# EAGLE board Mk4 Final a Panel score 2x5 (EAGLE 9.0.1), part 24 of 29 (continued)
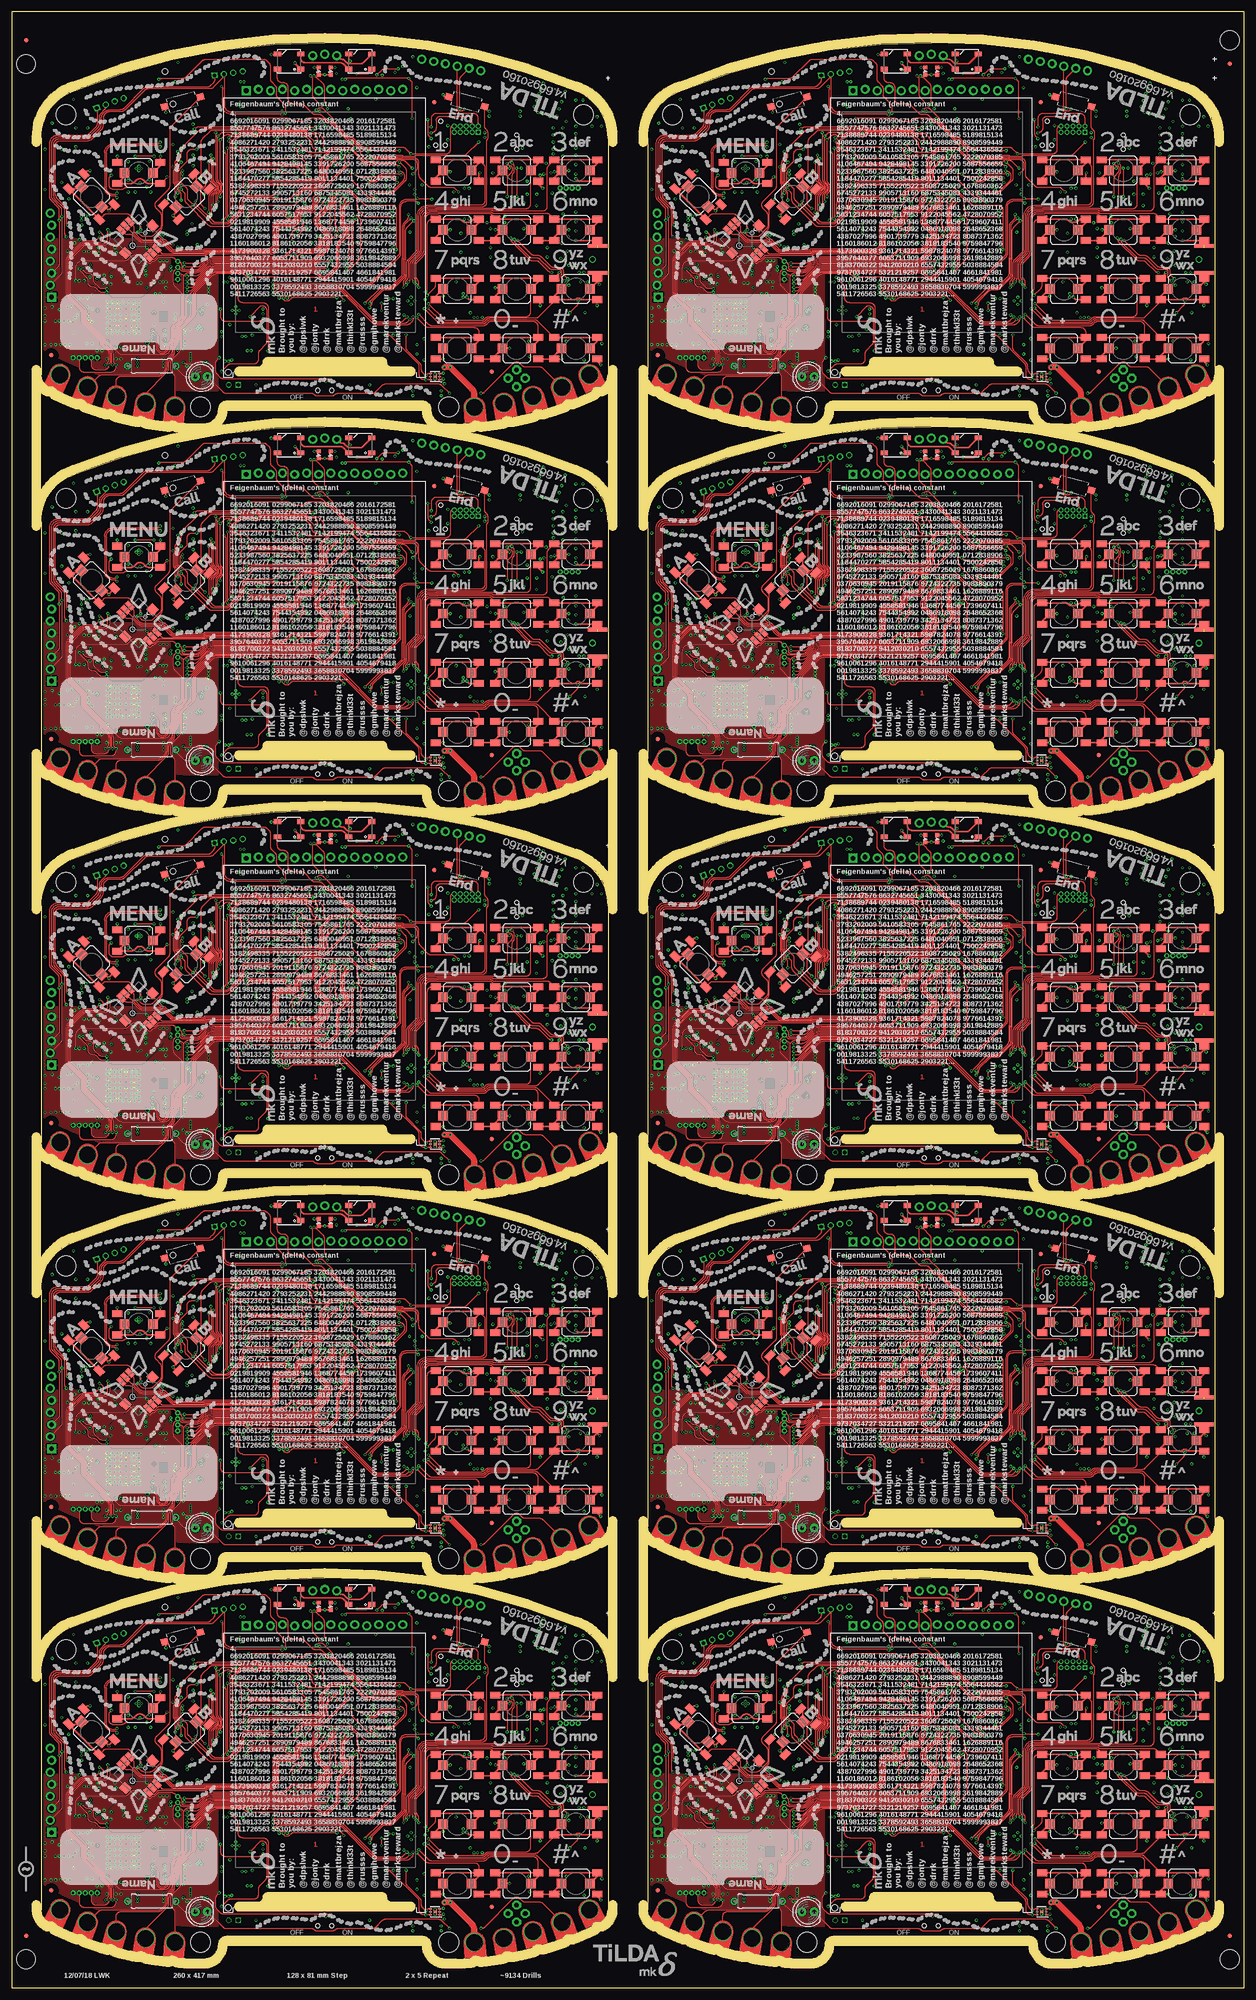
[diagram p0: board, top side]
## Tracks (layer width: path | path; a pad name or v marks a point on that pad's centre or on a via) (continued)
SSI0_LCD_MISO5  (via drill 0.3)
  Top 0.15: v187.8,207.8 187.89,207.8 arc45 188.59,208.09 189.21,208.71 arc-45 189.91,209 v190.45,209
  Bottom 0.15: IC92.38 185.55,216.8 arc90 184.3,215.55 184.3,211.55 arc90 186.05,209.8 186.79,209.8 arc-45 187.49,209.51 187.51,209.49 arc-45 187.8,208.79 v187.8,207.8 | J51.33 190.25,208.52 arc-45 v190.45,209
SSI0_LCD_MISO6  (via drill 0.3)
  Top 0.15: v59.8,288.8 59.89,288.8 arc45 60.59,289.09 61.21,289.71 arc-45 61.91,290 v62.45,290
  Bottom 0.15: IC110.38 57.55,297.8 arc90 56.3,296.55 56.3,292.55 arc90 58.05,290.8 58.79,290.8 arc-45 59.49,290.51 59.51,290.49 arc-45 59.8,289.79 v59.8,288.8 | J61.33 62.25,289.52 arc-45 v62.45,290
SSI0_LCD_MISO7  (via drill 0.3)
  Top 0.15: v187.8,288.8 187.89,288.8 arc45 188.59,289.09 189.21,289.71 arc-45 189.91,290 v190.45,290
  Bottom 0.15: IC128.38 185.55,297.8 arc90 184.3,296.55 184.3,292.55 arc90 186.05,290.8 186.79,290.8 arc-45 187.49,290.51 187.51,290.49 arc-45 187.8,289.79 v187.8,288.8 | J71.33 190.25,289.52 arc-45 v190.45,290
SSI0_LCD_MISO8  (via drill 0.3)
  Top 0.15: v59.8,369.8 59.89,369.8 arc45 60.59,370.09 61.21,370.71 arc-45 61.91,371 v62.45,371
  Bottom 0.15: IC146.38 57.55,378.8 arc90 56.3,377.55 56.3,373.55 arc90 58.05,371.8 58.79,371.8 arc-45 59.49,371.51 59.51,371.49 arc-45 59.8,370.79 v59.8,369.8 | J81.33 62.25,370.52 arc-45 v62.45,371
SSI0_LCD_MISO9  (via drill 0.3)
  Top 0.15: v187.8,369.8 187.89,369.8 arc45 188.59,370.09 189.21,370.71 arc-45 189.91,371 v190.45,371
  Bottom 0.15: IC164.38 185.55,378.8 arc90 184.3,377.55 184.3,373.55 arc90 186.05,371.8 186.79,371.8 arc-45 187.49,371.51 187.51,371.49 arc-45 187.8,370.79 v187.8,369.8 | J91.33 190.25,370.52 arc-45 v190.45,371
SSI0_LCD_MOSI  (via drill 0.3)
  Top 0.15: v60.35,46.7 arc45 60.95,46.95 61.45,47.45 arc-45 v62.05,47.7
  Bottom 0.15: J2.34 61.75,44.5 61.8,44.55 61.8,47.1 arc-45 v62.05,47.7 | IC1.37 57.6,54.4 arc90 56.6,53.4 56.6,49.6 arc90 58.1,48.1 58.83,48.1 arc-45 59.72,47.73 60.2,47.25 arc-45 60.35,46.89 v60.35,46.7
SSI0_LCD_MOSI1  (via drill 0.3)
  Top 0.15: v188.35,46.7 arc45 188.95,46.95 189.45,47.45 arc-45 v190.05,47.7
  Bottom 0.15: J6.34 189.75,44.5 189.8,44.55 189.8,47.1 arc-45 v190.05,47.7 | IC20.37 185.6,54.4 arc90 184.6,53.4 184.6,49.6 arc90 186.1,48.1 186.83,48.1 arc-45 187.72,47.73 188.2,47.25 arc-45 188.35,46.89 v188.35,46.7
SSI0_LCD_MOSI2  (via drill 0.3)
  Top 0.15: v60.35,127.7 arc45 60.95,127.95 61.45,128.45 arc-45 v62.05,128.7
  Bottom 0.15: J21.34 61.75,125.5 61.8,125.55 61.8,128.1 arc-45 v62.05,128.7 | IC38.37 57.6,135.4 arc90 56.6,134.4 56.6,130.6 arc90 58.1,129.1 58.83,129.1 arc-45 59.72,128.73 60.2,128.25 arc-45 60.35,127.89 v60.35,127.7
SSI0_LCD_MOSI3  (via drill 0.3)
  Top 0.15: v188.35,127.7 arc45 188.95,127.95 189.45,128.45 arc-45 v190.05,128.7
  Bottom 0.15: J31.34 189.75,125.5 189.8,125.55 189.8,128.1 arc-45 v190.05,128.7 | IC56.37 185.6,135.4 arc90 184.6,134.4 184.6,130.6 arc90 186.1,129.1 186.83,129.1 arc-45 187.72,128.73 188.2,128.25 arc-45 188.35,127.89 v188.35,127.7
SSI0_LCD_MOSI4  (via drill 0.3)
  Top 0.15: v60.35,208.7 arc45 60.95,208.95 61.45,209.45 arc-45 v62.05,209.7
  Bottom 0.15: J41.34 61.75,206.5 61.8,206.55 61.8,209.1 arc-45 v62.05,209.7 | IC74.37 57.6,216.4 arc90 56.6,215.4 56.6,211.6 arc90 58.1,210.1 58.83,210.1 arc-45 59.72,209.73 60.2,209.25 arc-45 60.35,208.89 v60.35,208.7
SSI0_LCD_MOSI5  (via drill 0.3)
  Top 0.15: v188.35,208.7 arc45 188.95,208.95 189.45,209.45 arc-45 v190.05,209.7
  Bottom 0.15: J51.34 189.75,206.5 189.8,206.55 189.8,209.1 arc-45 v190.05,209.7 | IC92.37 185.6,216.4 arc90 184.6,215.4 184.6,211.6 arc90 186.1,210.1 186.83,210.1 arc-45 187.72,209.73 188.2,209.25 arc-45 188.35,208.89 v188.35,208.7
SSI0_LCD_MOSI6  (via drill 0.3)
  Top 0.15: v60.35,289.7 arc45 60.95,289.95 61.45,290.45 arc-45 v62.05,290.7
  Bottom 0.15: J61.34 61.75,287.5 61.8,287.55 61.8,290.1 arc-45 v62.05,290.7 | IC110.37 57.6,297.4 arc90 56.6,296.4 56.6,292.6 arc90 58.1,291.1 58.83,291.1 arc-45 59.72,290.73 60.2,290.25 arc-45 60.35,289.89 v60.35,289.7
SSI0_LCD_MOSI7  (via drill 0.3)
  Top 0.15: v188.35,289.7 arc45 188.95,289.95 189.45,290.45 arc-45 v190.05,290.7
  Bottom 0.15: J71.34 189.75,287.5 189.8,287.55 189.8,290.1 arc-45 v190.05,290.7 | IC128.37 185.6,297.4 arc90 184.6,296.4 184.6,292.6 arc90 186.1,291.1 186.83,291.1 arc-45 187.72,290.73 188.2,290.25 arc-45 188.35,289.89 v188.35,289.7
SSI0_LCD_MOSI8  (via drill 0.3)
  Top 0.15: v60.35,370.7 arc45 60.95,370.95 61.45,371.45 arc-45 v62.05,371.7
  Bottom 0.15: J81.34 61.75,368.5 61.8,368.55 61.8,371.1 arc-45 v62.05,371.7 | IC146.37 57.6,378.4 arc90 56.6,377.4 56.6,373.6 arc90 58.1,372.1 58.83,372.1 arc-45 59.72,371.73 60.2,371.25 arc-45 60.35,370.89 v60.35,370.7
SSI0_LCD_MOSI9  (via drill 0.3)
  Top 0.15: v188.35,370.7 arc45 188.95,370.95 189.45,371.45 arc-45 v190.05,371.7
  Bottom 0.15: J91.34 189.75,368.5 189.8,368.55 189.8,371.1 arc-45 v190.05,371.7 | IC164.37 185.6,378.4 arc90 184.6,377.4 184.6,373.6 arc90 186.1,372.1 186.83,372.1 arc-45 187.72,371.73 188.2,371.25 arc-45 188.35,370.89 v188.35,370.7
SSI2_CC_!CS  (via drill 0.3)
  Top 0.15: v37,34 37.7,34 41.86,38.16 arc-45 42.92,38.6 64.69,38.6 arc-45 65.39,38.31 v65.5,38.2 | v72,49.2 72,49.06 arc-45 71.89,48.8 arc45 71.6,48.1 71.6,41.01 arc-45 71.31,40.31 v70.6,39.6
  Bottom 0.15: IC15.8 23.75,21.95 arc90 24.75,20.95 32.5,20.95 arc90 34,22.45 34,24.39 arc-45 34.29,25.09 35.71,26.51 arc45 36.3,27.93 36.3,32.94 arc-45 36.59,33.64 36.95,34 v37,34 | IC1.3 71.4,50.21 arc45 71.69,49.51 v72,49.2 | v70.6,39.6 67.75,39.6 arc-45 67.25,39.81 arc45 66.54,40.1 66.5,40.1 arc90 65.5,39.1 v65.5,38.2
SSI2_CC_!CS1  (via drill 0.3)
  Top 0.15: v165,34 165.7,34 169.86,38.16 arc-45 170.92,38.6 192.69,38.6 arc-45 193.39,38.31 v193.5,38.2 | v200,49.2 200,49.06 arc-45 199.89,48.8 arc45 199.6,48.1 199.6,41.01 arc-45 199.31,40.31 v198.6,39.6
  Bottom 0.15: IC29.8 151.75,21.95 arc90 152.75,20.95 160.5,20.95 arc90 162,22.45 162,24.39 arc-45 162.29,25.09 163.71,26.51 arc45 164.3,27.93 164.3,32.94 arc-45 164.59,33.64 164.95,34 v165,34 | IC20.3 199.4,50.21 arc45 199.69,49.51 v200,49.2 | v198.6,39.6 195.75,39.6 arc-45 195.25,39.81 arc45 194.54,40.1 194.5,40.1 arc90 193.5,39.1 v193.5,38.2
SSI2_CC_!CS2  (via drill 0.3)
  Top 0.15: v37,115 37.7,115 41.86,119.16 arc-45 42.92,119.6 64.69,119.6 arc-45 65.39,119.31 v65.5,119.2 | v72,130.2 72,130.06 arc-45 71.89,129.8 arc45 71.6,129.1 71.6,122.01 arc-45 71.31,121.31 v70.6,120.6
  Bottom 0.15: IC47.8 23.75,102.95 arc90 24.75,101.95 32.5,101.95 arc90 34,103.45 34,105.39 arc-45 34.29,106.09 35.71,107.51 arc45 36.3,108.93 36.3,113.94 arc-45 36.59,114.64 36.95,115 v37,115 | IC38.3 71.4,131.21 arc45 71.69,130.51 v72,130.2 | v70.6,120.6 67.75,120.6 arc-45 67.25,120.81 arc45 66.54,121.1 66.5,121.1 arc90 65.5,120.1 v65.5,119.2
SSI2_CC_!CS3  (via drill 0.3)
  Top 0.15: v165,115 165.7,115 169.86,119.16 arc-45 170.92,119.6 192.69,119.6 arc-45 193.39,119.31 v193.5,119.2 | v200,130.2 200,130.06 arc-45 199.89,129.8 arc45 199.6,129.1 199.6,122.01 arc-45 199.31,121.31 v198.6,120.6
  Bottom 0.15: IC65.8 151.75,102.95 arc90 152.75,101.95 160.5,101.95 arc90 162,103.45 162,105.39 arc-45 162.29,106.09 163.71,107.51 arc45 164.3,108.93 164.3,113.94 arc-45 164.59,114.64 164.95,115 v165,115 | IC56.3 199.4,131.21 arc45 199.69,130.51 v200,130.2 | v198.6,120.6 195.75,120.6 arc-45 195.25,120.81 arc45 194.54,121.1 194.5,121.1 arc90 193.5,120.1 v193.5,119.2
SSI2_CC_!CS4  (via drill 0.3)
  Top 0.15: v37,196 37.7,196 41.86,200.16 arc-45 42.92,200.6 64.69,200.6 arc-45 65.39,200.31 v65.5,200.2 | v72,211.2 72,211.06 arc-45 71.89,210.8 arc45 71.6,210.1 71.6,203.01 arc-45 71.31,202.31 v70.6,201.6
  Bottom 0.15: IC83.8 23.75,183.95 arc90 24.75,182.95 32.5,182.95 arc90 34,184.45 34,186.39 arc-45 34.29,187.09 35.71,188.51 arc45 36.3,189.93 36.3,194.94 arc-45 36.59,195.64 36.95,196 v37,196 | IC74.3 71.4,212.21 arc45 71.69,211.51 v72,211.2 | v70.6,201.6 67.75,201.6 arc-45 67.25,201.81 arc45 66.54,202.1 66.5,202.1 arc90 65.5,201.1 v65.5,200.2
SSI2_CC_!CS5  (via drill 0.3)
  Top 0.15: v165,196 165.7,196 169.86,200.16 arc-45 170.92,200.6 192.69,200.6 arc-45 193.39,200.31 v193.5,200.2 | v200,211.2 200,211.06 arc-45 199.89,210.8 arc45 199.6,210.1 199.6,203.01 arc-45 199.31,202.31 v198.6,201.6
  Bottom 0.15: IC101.8 151.75,183.95 arc90 152.75,182.95 160.5,182.95 arc90 162,184.45 162,186.39 arc-45 162.29,187.09 163.71,188.51 arc45 164.3,189.93 164.3,194.94 arc-45 164.59,195.64 164.95,196 v165,196 | IC92.3 199.4,212.21 arc45 199.69,211.51 v200,211.2 | v198.6,201.6 195.75,201.6 arc-45 195.25,201.81 arc45 194.54,202.1 194.5,202.1 arc90 193.5,201.1 v193.5,200.2
SSI2_CC_!CS6  (via drill 0.3)
  Top 0.15: v37,277 37.7,277 41.86,281.16 arc-45 42.92,281.6 64.69,281.6 arc-45 65.39,281.31 v65.5,281.2 | v72,292.2 72,292.06 arc-45 71.89,291.8 arc45 71.6,291.1 71.6,284.01 arc-45 71.31,283.31 v70.6,282.6
  Bottom 0.15: IC119.8 23.75,264.95 arc90 24.75,263.95 32.5,263.95 arc90 34,265.45 34,267.39 arc-45 34.29,268.09 35.71,269.51 arc45 36.3,270.93 36.3,275.94 arc-45 36.59,276.64 36.95,277 v37,277 | IC110.3 71.4,293.21 arc45 71.69,292.51 v72,292.2 | v70.6,282.6 67.75,282.6 arc-45 67.25,282.81 arc45 66.54,283.1 66.5,283.1 arc90 65.5,282.1 v65.5,281.2
SSI2_CC_!CS7  (via drill 0.3)
  Top 0.15: v165,277 165.7,277 169.86,281.16 arc-45 170.92,281.6 192.69,281.6 arc-45 193.39,281.31 v193.5,281.2 | v200,292.2 200,292.06 arc-45 199.89,291.8 arc45 199.6,291.1 199.6,284.01 arc-45 199.31,283.31 v198.6,282.6
  Bottom 0.15: IC137.8 151.75,264.95 arc90 152.75,263.95 160.5,263.95 arc90 162,265.45 162,267.39 arc-45 162.29,268.09 163.71,269.51 arc45 164.3,270.93 164.3,275.94 arc-45 164.59,276.64 164.95,277 v165,277 | IC128.3 199.4,293.21 arc45 199.69,292.51 v200,292.2 | v198.6,282.6 195.75,282.6 arc-45 195.25,282.81 arc45 194.54,283.1 194.5,283.1 arc90 193.5,282.1 v193.5,281.2
SSI2_CC_!CS8  (via drill 0.3)
  Top 0.15: v37,358 37.7,358 41.86,362.16 arc-45 42.92,362.6 64.69,362.6 arc-45 65.39,362.31 v65.5,362.2 | v72,373.2 72,373.06 arc-45 71.89,372.8 arc45 71.6,372.1 71.6,365.01 arc-45 71.31,364.31 v70.6,363.6
  Bottom 0.15: IC155.8 23.75,345.95 arc90 24.75,344.95 32.5,344.95 arc90 34,346.45 34,348.39 arc-45 34.29,349.09 35.71,350.51 arc45 36.3,351.93 36.3,356.94 arc-45 36.59,357.64 36.95,358 v37,358 | IC146.3 71.4,374.21 arc45 71.69,373.51 v72,373.2 | v70.6,363.6 67.75,363.6 arc-45 67.25,363.81 arc45 66.54,364.1 66.5,364.1 arc90 65.5,363.1 v65.5,362.2
SSI2_CC_!CS9  (via drill 0.3)
  Top 0.15: v165,358 165.7,358 169.86,362.16 arc-45 170.92,362.6 192.69,362.6 arc-45 193.39,362.31 v193.5,362.2 | v200,373.2 200,373.06 arc-45 199.89,372.8 arc45 199.6,372.1 199.6,365.01 arc-45 199.31,364.31 v198.6,363.6
  Bottom 0.15: IC173.8 151.75,345.95 arc90 152.75,344.95 160.5,344.95 arc90 162,346.45 162,348.39 arc-45 162.29,349.09 163.71,350.51 arc45 164.3,351.93 164.3,356.94 arc-45 164.59,357.64 164.95,358 v165,358 | IC164.3 199.4,374.21 arc45 199.69,373.51 v200,373.2 | v198.6,363.6 195.75,363.6 arc-45 195.25,363.81 arc45 194.54,364.1 194.5,364.1 arc90 193.5,363.1 v193.5,362.2
SSI2_CC_CLK  (via drill 0.3)
  Top 0.15: v37,36.4 38.83,36.4 41.27,38.84 arc-45 42.86,39.5 63.07,39.5 arc45 64.49,40.09 64.51,40.11 arc-45 65.22,40.4 v67.4,40.4 | v71.2,49.2 71.2,47.49 71.22,47.47 71.22,41.44 arc-45 70.93,40.73 v70.6,40.4
  Bottom 0.15: IC15.5 25.25,23.91 arc45 25.54,23.21 26.51,22.24 arc45 27.21,21.95 30.88,21.95 30.9,21.93 32.35,21.93 arc90 33.1,22.68 33.1,24.48 arc-45 33.61,25.71 35.03,27.13 arc45 35.4,28.02 35.4,34.39 arc-45 35.69,35.09 v37,36.4 | IC1.4 71,49.68 arc45 v71.2,49.2 | v67.4,40.4 v70.6,40.4
SSI2_CC_CLK1  (via drill 0.3)
  Top 0.15: v165,36.4 166.83,36.4 169.27,38.84 arc-45 170.86,39.5 191.07,39.5 arc45 192.49,40.09 192.51,40.11 arc-45 193.22,40.4 v195.4,40.4 | v199.2,49.2 199.2,47.49 199.22,47.47 199.22,41.44 arc-45 198.93,40.73 v198.6,40.4
  Bottom 0.15: IC29.5 153.25,23.91 arc45 153.54,23.21 154.51,22.24 arc45 155.21,21.95 158.88,21.95 158.9,21.93 160.35,21.93 arc90 161.1,22.68 161.1,24.48 arc-45 161.61,25.71 163.03,27.13 arc45 163.4,28.02 163.4,34.39 arc-45 163.69,35.09 v165,36.4 | IC20.4 199,49.68 arc45 v199.2,49.2 | v195.4,40.4 v198.6,40.4
SSI2_CC_CLK2  (via drill 0.3)
  Top 0.15: v37,117.4 38.83,117.4 41.27,119.84 arc-45 42.86,120.5 63.07,120.5 arc45 64.49,121.09 64.51,121.11 arc-45 65.22,121.4 v67.4,121.4 | v71.2,130.2 71.2,128.49 71.22,128.47 71.22,122.44 arc-45 70.93,121.73 v70.6,121.4
  Bottom 0.15: IC47.5 25.25,104.91 arc45 25.54,104.21 26.51,103.24 arc45 27.21,102.95 30.88,102.95 30.9,102.92 32.35,102.92 arc90 33.1,103.67 33.1,105.47 arc-45 33.61,106.71 35.03,108.13 arc45 35.4,109.02 35.4,115.39 arc-45 35.69,116.09 v37,117.4 | IC38.4 71,130.68 arc45 v71.2,130.2 | v67.4,121.4 v70.6,121.4
SSI2_CC_CLK3  (via drill 0.3)
  Top 0.15: v165,117.4 166.83,117.4 169.27,119.84 arc-45 170.86,120.5 191.07,120.5 arc45 192.49,121.09 192.51,121.11 arc-45 193.22,121.4 v195.4,121.4 | v199.2,130.2 199.2,128.49 199.22,128.47 199.22,122.44 arc-45 198.93,121.73 v198.6,121.4
  Bottom 0.15: IC65.5 153.25,104.91 arc45 153.54,104.21 154.51,103.24 arc45 155.21,102.95 158.88,102.95 158.9,102.92 160.35,102.92 arc90 161.1,103.67 161.1,105.47 arc-45 161.61,106.71 163.03,108.13 arc45 163.4,109.02 163.4,115.39 arc-45 163.69,116.09 v165,117.4 | IC56.4 199,130.68 arc45 v199.2,130.2 | v195.4,121.4 v198.6,121.4
SSI2_CC_CLK4  (via drill 0.3)
  Top 0.15: v37,198.4 38.83,198.4 41.27,200.84 arc-45 42.86,201.5 63.07,201.5 arc45 64.49,202.09 64.51,202.11 arc-45 65.22,202.4 v67.4,202.4 | v71.2,211.2 71.2,209.49 71.22,209.47 71.22,203.44 arc-45 70.93,202.73 v70.6,202.4
  Bottom 0.15: IC83.5 25.25,185.91 arc45 25.54,185.21 26.51,184.24 arc45 27.21,183.95 30.88,183.95 30.9,183.93 32.35,183.93 arc90 33.1,184.68 33.1,186.47 arc-45 33.61,187.71 35.03,189.13 arc45 35.4,190.02 35.4,196.39 arc-45 35.69,197.09 v37,198.4 | IC74.4 71,211.68 arc45 v71.2,211.2 | v67.4,202.4 v70.6,202.4
SSI2_CC_CLK5  (via drill 0.3)
  Top 0.15: v165,198.4 166.83,198.4 169.27,200.84 arc-45 170.86,201.5 191.07,201.5 arc45 192.49,202.09 192.51,202.11 arc-45 193.22,202.4 v195.4,202.4 | v199.2,211.2 199.2,209.49 199.22,209.47 199.22,203.44 arc-45 198.93,202.73 v198.6,202.4
  Bottom 0.15: IC101.5 153.25,185.91 arc45 153.54,185.21 154.51,184.24 arc45 155.21,183.95 158.88,183.95 158.9,183.93 160.35,183.93 arc90 161.1,184.68 161.1,186.47 arc-45 161.61,187.71 163.03,189.13 arc45 163.4,190.02 163.4,196.39 arc-45 163.69,197.09 v165,198.4 | IC92.4 199,211.68 arc45 v199.2,211.2 | v195.4,202.4 v198.6,202.4
SSI2_CC_CLK6  (via drill 0.3)
  Top 0.15: v37,279.4 38.83,279.4 41.27,281.84 arc-45 42.86,282.5 63.07,282.5 arc45 64.49,283.09 64.51,283.11 arc-45 65.22,283.4 v67.4,283.4 | v71.2,292.2 71.2,290.49 71.22,290.46 71.22,284.44 arc-45 70.93,283.73 v70.6,283.4
  Bottom 0.15: IC119.5 25.25,266.91 arc45 25.54,266.21 26.51,265.24 arc45 27.21,264.95 30.88,264.95 30.9,264.93 32.35,264.93 arc90 33.1,265.68 33.1,267.48 arc-45 33.61,268.71 35.03,270.13 arc45 35.4,271.02 35.4,277.39 arc-45 35.69,278.09 v37,279.4 | IC110.4 71,292.68 arc45 v71.2,292.2 | v67.4,283.4 v70.6,283.4
SSI2_CC_CLK7  (via drill 0.3)
  Top 0.15: v165,279.4 166.83,279.4 169.27,281.84 arc-45 170.86,282.5 191.07,282.5 arc45 192.49,283.09 192.51,283.11 arc-45 193.22,283.4 v195.4,283.4 | v199.2,292.2 199.2,290.49 199.22,290.46 199.22,284.44 arc-45 198.93,283.73 v198.6,283.4
  Bottom 0.15: IC137.5 153.25,266.91 arc45 153.54,266.21 154.51,265.24 arc45 155.21,264.95 158.88,264.95 158.9,264.93 160.35,264.93 arc90 161.1,265.68 161.1,267.48 arc-45 161.61,268.71 163.03,270.13 arc45 163.4,271.02 163.4,277.39 arc-45 163.69,278.09 v165,279.4 | IC128.4 199,292.68 arc45 v199.2,292.2 | v195.4,283.4 v198.6,283.4
SSI2_CC_CLK8  (via drill 0.3)
  Top 0.15: v37,360.4 38.83,360.4 41.27,362.84 arc-45 42.86,363.5 63.07,363.5 arc45 64.49,364.09 64.51,364.11 arc-45 65.22,364.4 v67.4,364.4 | v71.2,373.2 71.2,371.49 71.22,371.46 71.22,365.44 arc-45 70.93,364.73 v70.6,364.4
  Bottom 0.15: IC155.5 25.25,347.91 arc45 25.54,347.21 26.51,346.24 arc45 27.21,345.95 30.88,345.95 30.9,345.93 32.35,345.93 arc90 33.1,346.68 33.1,348.48 arc-45 33.61,349.71 35.03,351.13 arc45 35.4,352.02 35.4,358.39 arc-45 35.69,359.09 v37,360.4 | IC146.4 71,373.68 arc45 v71.2,373.2 | v67.4,364.4 v70.6,364.4
SSI2_CC_CLK9  (via drill 0.3)
  Top 0.15: v165,360.4 166.83,360.4 169.27,362.84 arc-45 170.86,363.5 191.07,363.5 arc45 192.49,364.09 192.51,364.11 arc-45 193.22,364.4 v195.4,364.4 | v199.2,373.2 199.2,371.49 199.22,371.46 199.22,365.44 arc-45 198.93,364.73 v198.6,364.4
  Bottom 0.15: IC173.5 153.25,347.91 arc45 153.54,347.21 154.51,346.24 arc45 155.21,345.95 158.88,345.95 158.9,345.93 160.35,345.93 arc90 161.1,346.68 161.1,348.48 arc-45 161.61,349.71 163.03,351.13 arc45 163.4,352.02 163.4,358.39 arc-45 163.69,359.09 v165,360.4 | IC164.4 199,373.68 arc45 v199.2,373.2 | v195.4,364.4 v198.6,364.4
SSI2_CC_MISO  (via drill 0.3)
  Top 0.15: v37,34.8 38.08,34.8 41.67,38.39 arc-45 42.9,38.9 66.24,38.9 arc-45 v66.6,38.75 | v72.75,49.24 72.53,49.01 arc-45 72.5,48.96 72.19,48.65 arc45 71.9,47.94 71.9,40.21 arc-45 71.61,39.51 70.9,38.8 v70.6,38.8
  Bottom 0.15: IC15.7 24.25,23 R71.1 24.59,22.75 arc-45 25.29,22.46 26.06,21.69 arc45 27.12,21.25 32.45,21.25 arc90 33.7,22.5 33.7,24.43 arc-45 34.07,25.32 35.49,26.74 arc45 36,27.98 36,33.39 arc-45 36.29,34.09 v37,34.8 | IC1.1 72.2,50.6 72.31,50.49 arc-45 72.6,49.79 72.6,49.6 arc45 v72.75,49.24 | v70.6,38.8 70.55,38.75 v66.6,38.75
SSI2_CC_MISO1  (via drill 0.3)
  Top 0.15: v165,34.8 166.08,34.8 169.67,38.39 arc-45 170.9,38.9 194.24,38.9 arc-45 v194.6,38.75 | v200.75,49.24 200.53,49.01 arc-45 200.5,48.96 200.19,48.65 arc45 199.9,47.94 199.9,40.21 arc-45 199.61,39.51 198.9,38.8 v198.6,38.8
  Bottom 0.15: IC29.7 152.25,23 R149.1 152.59,22.75 arc-45 153.29,22.46 154.06,21.69 arc45 155.12,21.25 160.45,21.25 arc90 161.7,22.5 161.7,24.43 arc-45 162.07,25.32 163.49,26.74 arc45 164,27.98 164,33.39 arc-45 164.29,34.09 v165,34.8 | IC20.1 200.2,50.6 200.31,50.49 arc-45 200.6,49.79 200.6,49.6 arc45 v200.75,49.24 | v198.6,38.8 198.55,38.75 v194.6,38.75
SSI2_CC_MISO2  (via drill 0.3)
  Top 0.15: v37,115.8 38.08,115.8 41.67,119.39 arc-45 42.9,119.9 66.24,119.9 arc-45 v66.6,119.75 | v72.75,130.24 72.53,130.01 arc-45 72.5,129.96 72.19,129.65 arc45 71.9,128.94 71.9,121.21 arc-45 71.61,120.51 70.9,119.8 v70.6,119.8
  Bottom 0.15: IC47.7 24.25,104 R227.1 24.59,103.75 arc-45 25.29,103.46 26.06,102.69 arc45 27.12,102.25 32.45,102.25 arc90 33.7,103.5 33.7,105.43 arc-45 34.07,106.32 35.49,107.74 arc45 36,108.97 36,114.39 arc-45 36.29,115.09 v37,115.8 | IC38.1 72.2,131.6 72.31,131.49 arc-45 72.6,130.79 72.6,130.6 arc45 v72.75,130.24 | v70.6,119.8 70.55,119.75 v66.6,119.75
SSI2_CC_MISO3  (via drill 0.3)
  Top 0.15: v165,115.8 166.08,115.8 169.67,119.39 arc-45 170.9,119.9 194.24,119.9 arc-45 v194.6,119.75 | v200.75,130.24 200.53,130.01 arc-45 200.5,129.96 200.19,129.65 arc45 199.9,128.94 199.9,121.21 arc-45 199.61,120.51 198.9,119.8 v198.6,119.8
  Bottom 0.15: IC65.7 152.25,104 R305.1 152.59,103.75 arc-45 153.29,103.46 154.06,102.69 arc45 155.12,102.25 160.45,102.25 arc90 161.7,103.5 161.7,105.43 arc-45 162.07,106.32 163.49,107.74 arc45 164,108.97 164,114.39 arc-45 164.29,115.09 v165,115.8 | IC56.1 200.2,131.6 200.31,131.49 arc-45 200.6,130.79 200.6,130.6 arc45 v200.75,130.24 | v198.6,119.8 198.55,119.75 v194.6,119.75
SSI2_CC_MISO4  (via drill 0.3)
  Top 0.15: v37,196.8 38.08,196.8 41.67,200.39 arc-45 42.9,200.9 66.24,200.9 arc-45 v66.6,200.75 | v72.75,211.24 72.53,211.01 arc-45 72.5,210.96 72.19,210.65 arc45 71.9,209.94 71.9,202.21 arc-45 71.61,201.51 70.9,200.8 v70.6,200.8
  Bottom 0.15: IC83.7 24.25,185 R383.1 24.59,184.75 arc-45 25.29,184.46 26.06,183.69 arc45 27.12,183.25 32.45,183.25 arc90 33.7,184.5 33.7,186.43 arc-45 34.07,187.32 35.49,188.74 arc45 36,189.97 36,195.39 arc-45 36.29,196.09 v37,196.8 | IC74.1 72.2,212.6 72.31,212.49 arc-45 72.6,211.79 72.6,211.6 arc45 v72.75,211.24 | v70.6,200.8 70.55,200.75 v66.6,200.75
SSI2_CC_MISO5  (via drill 0.3)
  Top 0.15: v165,196.8 166.08,196.8 169.67,200.39 arc-45 170.9,200.9 194.24,200.9 arc-45 v194.6,200.75 | v200.75,211.24 200.53,211.01 arc-45 200.5,210.96 200.19,210.65 arc45 199.9,209.94 199.9,202.21 arc-45 199.61,201.51 198.9,200.8 v198.6,200.8
  Bottom 0.15: IC101.7 152.25,185 R461.1 152.59,184.75 arc-45 153.29,184.46 154.06,183.69 arc45 155.12,183.25 160.45,183.25 arc90 161.7,184.5 161.7,186.43 arc-45 162.07,187.32 163.49,188.74 arc45 164,189.97 164,195.39 arc-45 164.29,196.09 v165,196.8 | IC92.1 200.2,212.6 200.31,212.49 arc-45 200.6,211.79 200.6,211.6 arc45 v200.75,211.24 | v198.6,200.8 198.55,200.75 v194.6,200.75
SSI2_CC_MISO6  (via drill 0.3)
  Top 0.15: v37,277.8 38.08,277.8 41.67,281.39 arc-45 42.9,281.9 66.24,281.9 arc-45 v66.6,281.75 | v72.75,292.24 72.53,292.01 arc-45 72.5,291.96 72.19,291.65 arc45 71.9,290.94 71.9,283.21 arc-45 71.61,282.51 70.9,281.8 v70.6,281.8
  Bottom 0.15: IC119.7 24.25,266 R539.1 24.59,265.75 arc-45 25.29,265.46 26.06,264.69 arc45 27.12,264.25 32.45,264.25 arc90 33.7,265.5 33.7,267.43 arc-45 34.07,268.32 35.49,269.74 arc45 36,270.98 36,276.39 arc-45 36.29,277.09 v37,277.8 | IC110.1 72.2,293.6 72.31,293.49 arc-45 72.6,292.79 72.6,292.6 arc45 v72.75,292.24 | v70.6,281.8 70.55,281.75 v66.6,281.75
SSI2_CC_MISO7  (via drill 0.3)
  Top 0.15: v165,277.8 166.08,277.8 169.67,281.39 arc-45 170.9,281.9 194.24,281.9 arc-45 v194.6,281.75 | v200.75,292.24 200.53,292.01 arc-45 200.5,291.96 200.19,291.65 arc45 199.9,290.94 199.9,283.21 arc-45 199.61,282.51 198.9,281.8 v198.6,281.8
  Bottom 0.15: IC137.7 152.25,266 R617.1 152.59,265.75 arc-45 153.29,265.46 154.06,264.69 arc45 155.12,264.25 160.45,264.25 arc90 161.7,265.5 161.7,267.43 arc-45 162.07,268.32 163.49,269.74 arc45 164,270.98 164,276.39 arc-45 164.29,277.09 v165,277.8 | IC128.1 200.2,293.6 200.31,293.49 arc-45 200.6,292.79 200.6,292.6 arc45 v200.75,292.24 | v198.6,281.8 198.55,281.75 v194.6,281.75
SSI2_CC_MISO8  (via drill 0.3)
  Top 0.15: v37,358.8 38.08,358.8 41.67,362.39 arc-45 42.9,362.9 66.24,362.9 arc-45 v66.6,362.75 | v72.75,373.24 72.53,373.01 arc-45 72.5,372.96 72.19,372.65 arc45 71.9,371.94 71.9,364.21 arc-45 71.61,363.51 70.9,362.8 v70.6,362.8
  Bottom 0.15: IC155.7 24.25,347 R695.1 24.59,346.75 arc-45 25.29,346.46 26.06,345.69 arc45 27.12,345.25 32.45,345.25 arc90 33.7,346.5 33.7,348.43 arc-45 34.07,349.32 35.49,350.74 arc45 36,351.98 36,357.39 arc-45 36.29,358.09 v37,358.8 | IC146.1 72.2,374.6 72.31,374.49 arc-45 72.6,373.79 72.6,373.6 arc45 v72.75,373.24 | v70.6,362.8 70.55,362.75 v66.6,362.75
SSI2_CC_MISO9  (via drill 0.3)
  Top 0.15: v165,358.8 166.08,358.8 169.67,362.39 arc-45 170.9,362.9 194.24,362.9 arc-45 v194.6,362.75 | v200.75,373.24 200.53,373.01 arc-45 200.5,372.96 200.19,372.65 arc45 199.9,371.94 199.9,364.21 arc-45 199.61,363.51 198.9,362.8 v198.6,362.8
  Bottom 0.15: IC173.7 152.25,347 R773.1 152.59,346.75 arc-45 153.29,346.46 154.06,345.69 arc45 155.12,345.25 160.45,345.25 arc90 161.7,346.5 161.7,348.43 arc-45 162.07,349.32 163.49,350.74 arc45 164,351.98 164,357.39 arc-45 164.29,358.09 v165,358.8 | IC164.1 200.2,374.6 200.31,374.49 arc-45 200.6,373.79 200.6,373.6 arc45 v200.75,373.24 | v198.6,362.8 198.55,362.75 v194.6,362.75
SSI2_CC_MOSI  (via drill 0.3)
  Top 0.15: v37,35.6 38.45,35.6 41.47,38.61 arc-45 42.88,39.2 65.89,39.2 arc45 v66.59,39.49 v66.6,39.5 | v72,50 72.5,50 arc-90 73.5,49 73.5,41.31 arc-45 73.21,40.61 v70.6,38
  Bottom 0.15: IC15.6 24.75,23.91 arc45 25.04,23.21 26.23,22.02 arc45 27.12,21.65 30.75,21.65 30.78,21.62 32.4,21.62 arc90 33.4,22.62 33.4,24.45 arc-45 33.84,25.51 35.26,26.93 arc45 35.7,28 35.7,33.89 arc-45 35.99,34.59 v37,35.6 | IC1.2 71.8,50.48 arc45 v72,50 | v66.6,39.5 arc90 66,38.9 arc90 66.9,38 v70.6,38
SSI2_CC_MOSI1  (via drill 0.3)
  Top 0.15: v165,35.6 166.45,35.6 169.47,38.61 arc-45 170.88,39.2 193.89,39.2 arc45 v194.59,39.49 v194.6,39.5 | v200,50 200.5,50 arc-90 201.5,49 201.5,41.31 arc-45 201.21,40.61 v198.6,38
  Bottom 0.15: IC29.6 152.75,23.91 arc45 153.04,23.21 154.23,22.02 arc45 155.12,21.65 158.75,21.65 158.78,21.62 160.4,21.62 arc90 161.4,22.62 161.4,24.45 arc-45 161.84,25.51 163.26,26.93 arc45 163.7,28 163.7,33.89 arc-45 163.99,34.59 v165,35.6 | IC20.2 199.8,50.48 arc45 v200,50 | v194.6,39.5 arc90 194,38.9 arc90 194.9,38 v198.6,38
SSI2_CC_MOSI2  (via drill 0.3)
  Top 0.15: v37,116.6 38.45,116.6 41.47,119.61 arc-45 42.88,120.2 65.89,120.2 arc45 v66.59,120.49 v66.6,120.5 | v72,131 72.5,131 arc-90 73.5,130 73.5,122.31 arc-45 73.21,121.61 v70.6,119
  Bottom 0.15: IC47.6 24.75,104.91 arc45 25.04,104.21 26.23,103.02 arc45 27.12,102.65 30.75,102.65 30.78,102.62 32.4,102.62 arc90 33.4,103.62 33.4,105.45 arc-45 33.84,106.51 35.26,107.94 arc45 35.7,109 35.7,114.89 arc-45 35.99,115.59 v37,116.6 | IC38.2 71.8,131.48 arc45 v72,131 | v66.6,120.5 arc90 66,119.9 arc90 66.9,119 v70.6,119
SSI2_CC_MOSI3  (via drill 0.3)